# Altium PCB DBBC7505S-F.PcbDoc (part 2 of 2) (continued)
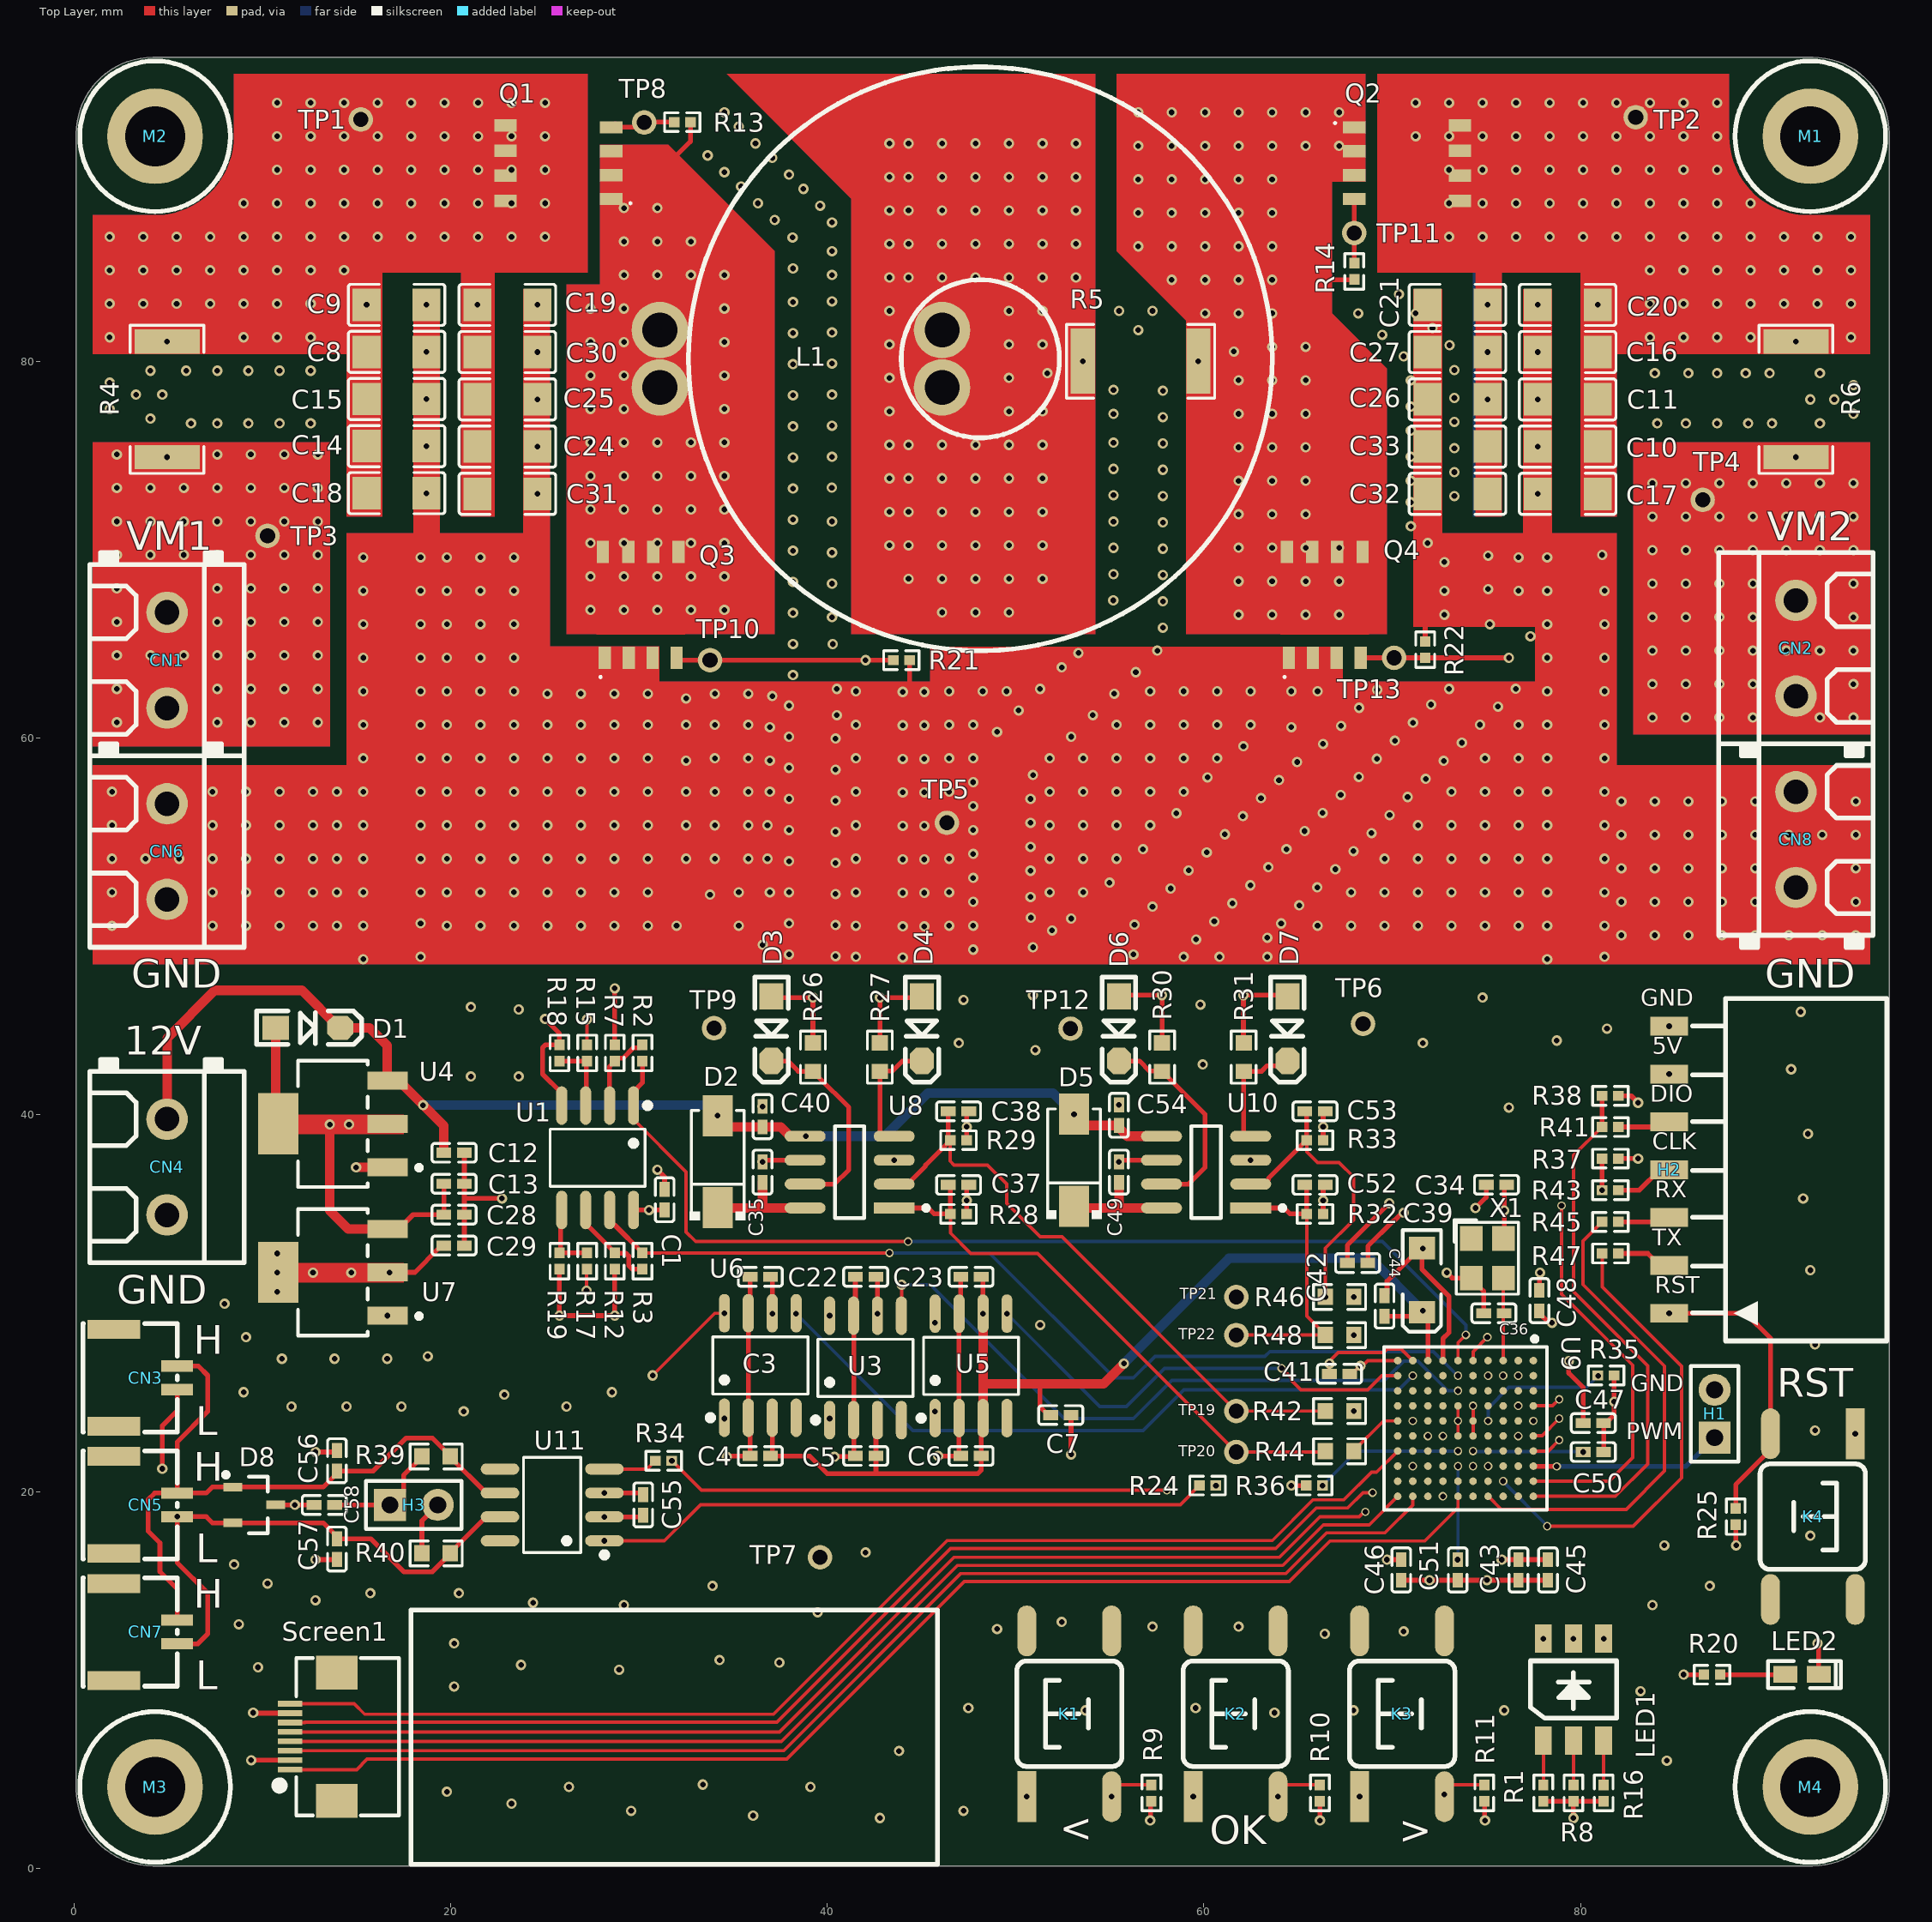
[diagram p0: Top Layer view]
## Nets (pads, with @x,y where several pads share a name; then routed paths per layer and width w, separated by ;. In a path a pad name is that pad's centre, name@x,y a point inside that pad or via, vN(x,y) a via of type N, cw(c..) or ccw(c..) an arc to the next point about the centre after c; other vN are vias at no path point) (continued)
IL+: L1.2 R5.1 U3.8 | length 64.9
  Mid Layer 2 w0.254: v1(40.132,29.337) 40.132,27.686 40.894,26.924 41.573,26.924 49.022,34.373 49.022,58.547 56.261,65.786 56.261,79.375 55.626,80.01 v1(53.576,80.01)
  other v1: 46.101,66.675 47.879,66.675 49.657,66.675 44.323,68.453 46.101,68.453 47.879,68.453 49.657,68.453 51.435,68.453 43.307,70.231 44.323,70.231 46.101,70.231 47.879,70.231 49.657,70.231 51.435,70.231 43.307,72.009 44.323,72.009 46.101,72.009 47.879,72.009 49.657,72.009 51.435,72.009 43.307,73.787 44.323,73.787 46.101,73.787 47.879,73.787 49.657,73.787 51.435,73.787 43.307,75.565 44.323,75.565 46.101,75.565 47.879,75.565 49.657,75.565 51.435,75.565 43.307,77.343 49.657,77.343 51.435,77.343 43.307,79.121 49.657,79.121 51.689,79.375 43.307,80.899 49.657,80.899 51.435,80.899 43.307,82.677 49.657,82.677 51.435,82.677 43.307,84.455 44.323,84.455 46.101,84.455 47.879,84.455 49.657,84.455 51.435,84.455 53.213,84.455 43.307,86.233 44.323,86.233 46.101,86.233 47.879,86.233 49.657,86.233 51.435,86.233 53.213,86.233 43.307,88.011 44.323,88.011 46.101,88.011 47.879,88.011 49.657,88.011 51.435,88.011 53.213,88.011 43.307,89.789 44.323,89.789 46.101,89.789 47.879,89.789 49.657,89.789 51.435,89.789 53.213,89.789 43.307,91.567 44.323,91.567 46.101,91.567 47.879,91.567 49.657,91.567 51.435,91.567 53.213,91.567
Iout-: CN2.1 CN2.2 R6.2 R17.1 TP4.1 U5.1 | length 111.3
  Top Layer w0.178: v1(27.224,30.665) 27.224,31.773 R17.1@27.254,31.803
  Mid Layer 2 w0.178: v1(27.224,30.665) 27.916,29.972 31.242,29.972 38.227,22.987 44.45,22.987 v1(45.72,24.257)
  Mid Layer 2 w0.254: v1(45.72,24.257) 45.72,25.527 46.609,26.416 53.594,26.416 60.706,33.528 66.802,33.528 80.01,46.736 80.01,75.565 82.169,77.724 90.805,77.724 91.44,77.089 v1(91.44,74.917)
  other v1: 83.82,61.087 85.598,61.087 87.376,61.087 89.154,61.087 92.71,61.087 94.488,61.087 83.82,62.865 85.598,62.865 87.376,62.865 89.154,62.865 94.488,62.865 83.82,64.643 85.598,64.643 87.376,64.643 89.154,64.643 90.932,64.643 92.71,64.643 94.488,64.643 83.82,66.421 85.598,66.421 87.376,66.421 89.154,66.421 94.488,66.421 83.82,68.199 85.598,68.199 87.376,68.199 89.154,68.199 94.488,68.199 83.82,69.977 85.598,69.977 87.376,69.977 89.154,69.977 90.932,69.977 92.71,69.977 94.488,69.977 83.82,71.755 85.598,71.755 87.376,71.755 89.154,71.755 90.932,71.755 92.71,71.755 94.488,71.755 83.82,73.533 85.598,73.533 87.376,73.533 89.154,73.533 90.932,73.533 92.71,73.533 94.488,73.533
Key1: K1.3 R9.1 U9.B6 | length 37.2
  Top Layer w0.178: v1(55.102,3.803) 55.102,4.049 55.482,4.429 R9.1@57.213,4.429
  Mid Layer 2 w0.178: v1(55.102,3.803) 56.761,5.461 67.969,5.461 76.695,14.187 v2(76.695,22.949)
Key2: K2.3 R10.1 U9.A6 | length 32.4
  Top Layer w0.178: v1(63.938,3.803) 63.938,4.049 64.317,4.429 R10.1@66.161,4.429 ; U9.A6@77.495,22.949 77.517,22.971 77.962,22.971 v2(78.867,23.876)
  Mid Layer 2 w0.178: v1(63.938,3.803) 66.922,3.803 77.127,14.008 77.127,22.136 v2(78.867,23.876)
Key3: K3.3 R11.1 U9.A7 | length 25.5
  Top Layer w0.178: K3.3@72.773,3.803 v1(72.773,3.926) 72.773,4.049 73.153,4.429 R11.1@74.891,4.429 ; U9.A7@77.495,22.149 78.283,22.149 v2(78.867,22.733)
  Mid Layer 2 w0.178: v1(72.773,3.926) 72.773,9.043 77.559,13.829 77.559,21.425 v2(78.867,22.733)
LEDB-: LED1.1 U9.A4 | length 16.6
  Top Layer w0.178: U9.A4@77.495,24.549 78.524,24.549 v2(78.867,24.892)
  Mid Layer 2 w0.178: v2(78.029,12.192) 78.046,12.209 78.046,12.514 80.848,15.316 80.848,22.808 79.883,23.773 79.883,24.511 79.502,24.892 v2(78.867,24.892)
LEDG-: LED1.5 U9.A5 | length 21.9
  Mid Layer 2 w0.178: v2(77.495,23.749) 76.327,23.749 75.946,24.13 75.946,25.019 76.327,25.4 77.343,25.4 78.105,26.162 79.756,26.162 80.747,25.171 80.747,24.131 81.712,23.166 81.712,14.402 81.229,13.919 v2(81.229,12.192)
LEDR-: LED1.3 U9.B4 | length 18.2
  Mid Layer 2 w0.178: v2(76.695,24.549) 77.381,24.549 78.486,25.654 79.629,25.654 80.315,24.968 80.315,23.952 81.28,22.987 81.28,14.859 79.629,13.208 v2(79.629,12.192)
NetC35_1: C35.1 D2.2 U8.8 | length 6
  Top Layer w0.254: D2.2@34.186,35.065 D2.2@34.199,35.052 ; 36.514,35.052 36.568,35.106
  Top Layer w0.508: D2.2@34.199,35.052 36.514,35.052 U8.8@38.829,35.052 ; 36.568,35.106 C35.1@36.568,36.412
NetC49_1: C49.1 D5.2 U10.8 | length 6
  Top Layer w0.254: D5.2@53.111,35.143 D5.2@53.202,35.052 ; 55.478,35.052 55.493,35.067
  Top Layer w0.508: D5.2@53.202,35.052 55.478,35.052 U10.8@57.754,35.052 ; 55.493,35.067 C49.1@55.493,36.412
NetC50_1: C50.1 U9.E7 | length 5.9
  Mid Layer 2 w0.178: v2(74.295,22.149) v2@74.32,22.124 ; v2@80.111,22.124 v2(80.137,22.098)
  Bottom Layer w0.178: v2(74.295,22.149) 74.32,22.124 80.111,22.124 v2(80.137,22.098)
NetC51_1: C51.1 U9.F8 | length 5.1
  Mid Layer 2 w0.178: v2@73.486,21.34 v2(73.495,21.349)
  Bottom Layer w0.178: v2@73.495,16.295 v2(73.495,21.349)
  other v2: 73.48,16.383
NetC58_2: C58.2 H3.1 R39.1 | length 6.2
  Top Layer w0.254: C58.2@13.845,19.29 H3.1@16.786,19.29 17.509,20.013 17.509,20.862 18.481,21.834 R39.1@18.481,21.863
NetD3_2: D3.2 R26.1 U8.7 | length 11.1
  Top Layer w0.254: D3.2@37.045,42.858 37.914,42.858 38.463,42.309 39.272,42.309 39.548,42.032 39.548,42.004 41.148,40.404 41.148,37.084 40.386,36.322 U8.7@38.829,36.322
NetD4_2: D4.2 R27.1 U8.4 | length 6.6
  Top Layer w0.254: U8.4@43.561,38.862 42.951,38.862 42.799,39.014 R27.1@42.799,42.309 42.811,42.32 43.463,42.32 44.001,42.858 D4.2@45.035,42.858
NetD6_2: D6.2 R30.1 U10.7 | length 11.3
  Top Layer w0.254: D6.2@55.493,42.858 56.583,42.858 57.121,42.32 57.773,42.32 R30.1@57.785,42.309 57.814,42.309 58.09,42.032 58.09,42.004 60.071,40.023 60.071,37.211 59.182,36.322 U10.7@57.754,36.322
NetD7_2: D7.2 R31.1 U10.4 | length 6.3
  Top Layer w0.254: U10.4@62.487,38.862 62.27,38.862 62.118,39.014 R31.1@62.118,42.309 63.068,42.309 63.363,42.604 64.187,42.604 D7.2@64.441,42.858
NetH2_2: H2.2 R47.1 | length 3
  Top Layer w0.254: R47.1@82.019,32.639 83.574,32.639 84.209,32.004 H2.2@84.709,32.004
NetH2_3: H2.3 R45.1 | length 2.8
  Top Layer w0.254: R45.1@82.019,34.318 84.483,34.318 H2.3@84.709,34.544
NetH2_4: H2.4 R43.1 | length 3.1
  Top Layer w0.254: R43.1@82.019,35.996 83.121,35.996 84.209,37.084 H2.4@84.709,37.084
NetH2_5: H2.5 R41.1 | length 2.8
  Top Layer w0.254: R41.1@82.019,39.354 84.439,39.354 H2.5@84.709,39.624
NetH3_2: H3.2 R40.1 | length 2.9
  Top Layer w0.254: R40.1@18.481,16.719 18.481,18.445 H3.2@19.326,19.29
NetLED1_2: LED1.2 R1.1 | length 2.4
  Top Layer w0.178: R1.1@78.029,4.429 LED1.2@78.029,6.782
NetLED1_4: LED1.4 R8.1 | length 2.4
  Top Layer w0.178: R8.1@79.629,4.429 LED1.4@79.629,6.782
NetLED1_6: LED1.6 R16.2 | length 2.4
  Top Layer w0.178: R16.2@81.229,4.429 LED1.6@81.229,6.782
NetLED2_1: LED2.1 R20.2 | length 3.5
  Top Layer w0.254: R20.2@87.419,10.28 90.863,10.28 LED2.1@90.869,10.287
NetR2_1: R2.1 R7.1 U1.2 | length 4.3
  Top Layer w0.254: U1.2@28.448,40.491 28.448,42.56 28.722,42.834 28.722,42.86 28.865,43.003 29.154,43.003 29.708,43.557 30.047,43.557 30.19,43.7 R2.1@30.19,43.713
NetR3_1: R3.1 R12.2 U1.6 | length 5
  Top Layer w0.254: U1.6@27.178,34.947 27.178,34.225 28.747,32.656 29.314,32.656 29.463,32.507 29.463,32.005 29.665,31.803 R3.1@30.19,31.803
NetR15_1: R15.1 R18.2 U1.3 | length 3.9
  Top Layer w0.254: R18.2@25.785,42.847 R15.1@27.254,42.847 27.216,42.809 27.216,40.529 U1.3@27.178,40.491
NetR17_2: R17.2 R19.2 U1.5 | length 3.8
  Top Layer w0.254: U1.5@25.908,34.947 25.847,34.885 25.847,32.73 R19.2@25.785,32.669 R17.2@27.254,32.669
NetR24_1: R24.1 U9.E8 | length 17.1
  Top Layer w0.178: R24.1@60.631,20.32 v1(60.644,20.32)
  Mid Layer 2 w0.178: v1(60.644,20.32) 62.765,18.199 73.329,18.199 74.295,19.165 v2(74.295,21.349)
NetR34_1: R34.1 U9.D8 | length 48.2
  Top Layer w0.178: R34.1@31.75,21.634 v2(31.756,21.634) 31.763,21.634 33.331,20.066 v2(58.039,20.066)
  Mid Layer 2 w0.178: v2(58.039,20.066) 60.706,17.399 73.66,17.399 75.095,18.834 v2(75.095,21.349)
NetR35_2: R35.2 U9.D5 | length 7.2
  Bottom Layer w0.178: v2(75.095,23.749) 75.095,24.422 76.2,25.527 80.325,25.527 v2(80.937,26.139)
NetR36_2: R36.2 U9.F7 | length 8
  Bottom Layer w0.178: v2@66.28,20.306 68.123,22.149 v2(73.495,22.149)
  other v2: 66.294,20.32
NetR42_1: R42.1 U9.J5 | length 3.4
  Mid Layer 2 w0.178: v2@67.981,24.249 v2(67.958,24.273) 70.571,24.273 v2(71.095,23.749)
NetR44_1: R44.1 U9.K5 | length 3
  Top Layer w0.178: R44.1@67.958,22.14 67.958,22.169 69.538,23.749 U9.K5@70.295,23.749
NetR46_1: R46.1 U9.G6 | length 9.6
  Mid Layer 2 w0.178: v2(67.958,30.331) 68.475,30.331 72.695,26.111 v2(72.695,22.949)
NetR48_1: R48.1 U9.H6 | length 7
  Mid Layer 2 w0.178: v2(67.958,28.308) 71.895,24.371 v2(71.895,22.949)
NRST: H2.1 K4.3 R25.2 U9.E1 | length 27.5
  Top Layer w0.178: U9.E1@74.295,26.949 74.295,27.432 v2(75.057,28.194)
  Top Layer w0.254: v1(84.709,29.464) 88.773,29.464 90.09,28.147 K4.3@90.09,23.069 90.09,22.219 88.24,20.369 R25.2@88.24,19.102
  Mid Layer 2 w0.254: v2(75.057,28.194) 83.439,28.194 v1(84.709,29.464)
OSC_IN: C36.1 U9.C1 X1.3 | length 4.4
  Top Layer w0.178: U9.C1@75.895,26.949 75.895,29.413 C36.1@75.946,29.464 75.907,29.503 X1.3@75.907,31.335
PWM_IN: H1.1 U9.A8 | length 10.3
  Top Layer w0.254: U9.A8@77.495,21.349 77.508,21.336 v2(78.74,21.336)
  Bottom Layer w0.254: v2(78.74,21.336) 85.598,21.336 H1.1@87.122,22.86
PWMAH: C37.2 R28.2 R44.2 TP20.1 U8.1 | length 30.5
  Top Layer w0.178: R28.2@46.543,34.737 46.543,33.721 47.625,32.639 51.181,32.639 TP20.1@61.722,22.098 66.409,22.098 R44.2@66.451,22.14
  Top Layer w0.254: U8.1@43.561,35.052 45.368,35.052 45.683,34.737 R28.2@46.543,34.737 46.543,36.166 C37.2@46.431,36.279
PWMAL: C38.2 R29.2 R42.2 TP19.1 U8.2 | length 32.7
  Top Layer w0.178: R29.2@46.531,38.653 46.531,37.543 46.736,37.338 48.514,37.338 49.53,36.322 49.53,35.306 51.308,33.528 52.467,33.528 TP19.1@61.722,24.273 R42.2@66.451,24.273
  Top Layer w0.254: U8.2@43.561,36.322 44.268,36.322 45.228,37.282 45.228,37.338 46.388,38.497 46.388,38.51 R29.2@46.531,38.653 ; C38.2@46.431,40.185 46.431,38.653 R29.2@46.531,38.653 ; R29.2@46.543,38.653 R29.2@46.531,38.653
PWMBH: C52.2 R32.2 R48.2 TP22.1 U10.1 | length 16.3
  Top Layer w0.178: TP22.1@61.722,28.308 R48.2@66.451,28.308 66.451,28.337 65.469,29.319 R32.2@65.469,34.737
  Top Layer w0.254: U10.1@62.487,35.052 64.262,35.052 64.577,34.737 R32.2@65.469,34.737 65.469,36.166 C52.2@65.357,36.279
PWMBL: C53.2 R33.2 R46.2 TP21.1 U10.2 | length 20.9
  Top Layer w0.178: R33.2@65.469,38.653 65.469,38.036 66.04,37.465 67.183,37.465 67.945,36.703 67.945,34.417 66.451,32.923 v2(66.451,30.331)
  Top Layer w0.254: U10.2@62.487,36.322 63.194,36.322 63.425,36.553 63.425,36.622 65.456,38.653 R33.2@65.469,38.653 65.469,40.073 C53.2@65.357,40.185
  Mid Layer 2 w0.178: TP21.1@61.722,30.331 v2(66.451,30.331)
RESET: Screen1.3 U9.J10 | length 64.9
  Top Layer w0.178: Screen1.3@12.107,6.242 37.689,6.242 47.094,15.646 64.366,15.646 66.525,17.805 69.621,17.805 71.095,19.279 U9.J10@71.095,19.749
RS: Screen1.4 U9.K10 | length 64.2
  Top Layer w0.178: Screen1.4@11.473,6.735 37.572,6.735 46.915,16.078 64.187,16.078 66.346,18.237 68.783,18.237 U9.K10@70.295,19.749
SCL: Screen1.6 U9.J8 | length 64.6
  Top Layer w0.178: 12.135,7.742 12.265,7.742 12.27,7.747 37.326,7.747 46.547,16.967 63.819,16.967 65.978,19.126 67.64,19.126 68.453,19.939 v2(68.961,19.939)
  Mid Layer 2 w0.178: v2(68.961,19.939) 70.371,21.349 v2(71.095,21.349)
SDA: Screen1.5 U9.G10 | length 66.4
  Top Layer w0.178: Screen1.5@11.473,7.235 14.482,7.235 14.478,7.239 37.465,7.239 46.736,16.51 64.008,16.51 66.167,18.669 68.252,18.669 68.506,18.923 v2(68.58,18.923)
  Mid Layer 2 w0.178: v2(68.58,18.923) 71.869,18.923 v2(72.695,19.749)
SWCLK: R37.2 R43.2 U9.A9 | length 24.9
  Top Layer w0.178: U9.A9@77.495,20.549 81.521,20.549 82.766,21.794 82.766,26.708 78.994,30.48 v2(78.994,35.179)
  Top Layer w0.254: v2(81.153,35.996) R37.2@81.153,37.675
  Mid Layer 2 w0.178: v2(78.994,35.179) 80.336,35.179 v2(81.153,35.996)
SWDIO: R38.2 R41.2 U9.A10 | length 28.6
  Top Layer w0.178: U9.A10@77.495,19.749 81.852,19.749 83.566,21.463 83.566,26.67 79.629,30.607 79.629,37.846 R41.2@81.145,39.362
  Top Layer w0.254: R41.2@81.153,39.354 R38.2@81.153,41.005
USART1_RX: R45.2 U9.D10 | length 25.9
  Top Layer w0.178: U9.D10@75.095,19.749 75.794,19.05 82.423,19.05 84.464,21.091 84.464,26.661 80.137,30.988 80.137,33.302 R45.2@81.153,34.318
USART1_TX: R47.2 U9.C9 | length 25.2
  Top Layer w0.178: v2(78.232,18.161) 82.804,18.161 85.362,20.719 85.362,26.652 81.153,30.861 R47.2@81.153,32.639
  Bottom Layer w0.178: v2(75.895,20.549) 75.895,20.523 78.232,18.187 v2(78.232,18.161)
Vref+: C1.2 C3.2 C4.2 C5.2 C6.2 C7.2 C22.2 C23.2 C29.2 C34.1 C39.1 C41.1 C42.1 C43.1 C44.1 C45.2 C46.2 C47.2 C48.2 C55.1 R1.2 R8.2 R9.2 R10.2 R11.2 R16.1 R20.1 R25.1 R36.1 R38.1 Screen1.7 U1.8 U3.3 U3.6 U5.3 U5.6 U6.3 U6.6 U7.2 U7.4 U9.B2 U9.D2 U9.F4 U9.F5 U9.F6 U9.H1 U9.K1 U11.3 X1.4 | length 105.3
  Top Layer w0.178: C41.1@67.749,26.248 67.874,26.248 68.296,26.67 68.427,26.67 68.706,26.949 U9.K1@70.295,26.949 ; U9.F6@73.495,22.949 v2(73.495,23.749) U9.F4@73.495,24.549
  Top Layer w0.254: v1(9.525,8.255) 9.545,8.235 Screen1.7@11.473,8.235 ; U7.2@16.655,31.637 18.111,31.637 19.378,32.904 19.378,32.914 19.521,33.057 C29.2@19.646,33.057 ; v1(28.172,19.925) 30.144,19.925 C55.1@30.234,19.835 ; U1.8@29.718,34.947 v1(30.543,34.947) C1.2@31.369,34.947 ; C3.2@36.994,31.396 37.084,31.307 v1(37.084,29.442) ; U6.3@37.084,23.898 37.084,21.98 cw(c36.994,21.98) C4.2@36.994,21.89 39.07,21.89 40.005,20.955 42.545,20.955 ; C22.2@42.59,31.396 42.68,31.307 v1(42.68,29.442) ; U3.3@42.68,23.898 ccw(c42.68,23.808) 42.59,23.808 C5.2@42.59,21.89 42.59,21 42.545,20.955 ; C23.2@48.186,31.396 48.276,31.307 v1(48.276,29.442) ; U5.3@48.276,24.626 U5.3@48.276,23.898 ccw(c48.276,23.808) 48.186,23.808 C6.2@48.186,21.89 48.186,21.135 48.006,20.955 42.545,20.955 ; 51.304,25.72 51.304,24.49 51.736,24.059 C7.2@51.861,24.059 ; v1(57.15,2.54) 57.181,2.571 57.181,3.532 R9.2@57.213,3.563 ; v1(64.643,20.32) R36.1@65.428,20.32 ; R10.2@66.161,3.563 66.164,3.56 66.164,2.543 v1(66.167,2.54) ; C42.1@68.707,32.131 68.707,33.019 70.07,34.382 70.116,34.382 70.532,34.798 v1(70.612,34.798) ; C44.1@69.596,29.3 71.36,29.3 C39.1@71.582,29.521 71.895,29.208 U9.H1@71.895,26.949 ; v1(69.723,16.383) C46.2@70.484,16.383 ; R11.2@74.891,3.563 74.911,3.544 74.911,2.559 v1(74.93,2.54) ; v1(75.819,16.383) C43.1@76.708,16.383 C45.2@78.272,16.383 ; X1.4@75.907,33.435 75.946,33.474 v1(75.946,34.925) 75.946,36.15 C34.1@76.083,36.287 ; C48.2@77.818,29.589 77.818,29.464 78.326,28.956 v1(78.486,28.956) ; R1.2@78.029,3.563 R8.2@79.629,3.563 ; v1(79.375,26.924) 79.375,26.289 80.137,25.527 C47.2@80.137,23.635 ; v1(79.629,2.667) R8.2@79.629,3.563 ; R16.1@81.229,3.563 R8.2@79.629,3.563 ; R38.1@82.019,41.005 82.693,41.005 v1(83.058,40.64) ; v1@85.471,10.287 v1(85.474,10.284) 85.478,10.28 R20.1@86.553,10.28 ; R25.1@88.24,18.236 88.24,17.17 v1(88.265,17.145)
  Top Layer w0.504: U5.3@48.276,23.808 U5.3@48.276,23.898 48.276,25.781 v1(48.276,29.442)
  Top Layer w0.508: 48.276,25.781 48.337,25.72 51.304,25.72 54.676,25.72 v1(55.753,26.797)
  Bottom Layer w0.508: v1(55.753,26.797) 61.341,32.385 68.834,32.385 v1(71.628,29.591)
  other v1: 68.326,26.67 10.795,30.607 10.795,31.623 12.7,31.623 14.732,31.623 16.764,31.623 10.795,32.639
  other v2: 75.095,26.149 76.695,26.149
pads on no net: CN3.3 CN3.4 CN5.3 CN5.4 CN7.3 CN7.4 K1.2 K1.4 K2.2 K2.4 K3.2 K3.4 K4.2 K4.4 M1.1 M2.1 M3.1 M4.1 Screen1.0 U3.4 U5.4 U6.4 U9.A1 U9.A2 U9.A3 U9.B1 U9.B3 U9.B5 U9.B7 U9.B8 U9.B9 U9.B10 U9.C3 U9.C4 U9.C5 U9.C6 U9.C7 U9.C8 U9.C10 U9.D1 U9.D3 U9.D4 U9.D6 U9.D7 U9.D9 U9.E2 U9.E3 U9.E9 U9.E10 U9.F9 U9.G2 U9.G3 U9.G4 U9.G5 U9.G7 U9.G8 U9.G9 U9.H2 U9.H3 U9.H4 U9.H5 U9.H7 U9.H8 U9.H9 U9.H10 U9.J3 U9.J4 U9.J6 U9.J7 U9.J9 U9.K3 U9.K4 U9.K6 U9.K8 U9.K9 U11.5 U11.8 X1.1

## Polygon pours and split planes (outlines as drawn)
C1N on Mid Layer 2 "C1N_L03_P001" (solid, remove dead copper, pour order 1): 1.016,48.006 1.016,87.757 8.509,87.757 8.509,95.25 87.884,95.25 87.884,87.757 95.377,87.757 95.377,48.006
Vref+ on Mid Layer 4 "VREF+_L05_P004" (solid, remove dead copper, pour order 4): 1.016,46.609 95.377,46.609 95.377,8.509 88.011,8.509 88.011,0.889 8.509,0.889 8.509,8.509 1.016,8.509
C1N on Mid Layer 1 "C1N_L02_P002" (solid, remove dead copper, pour order 2): 1.016,48.895 1.016,8.509 8.509,8.509 8.509,0.889 88.011,0.889 88.011,8.509 95.377,8.509 95.377,48.895
C1N on Mid Layer 3 "C1N_L04_P003" (solid, remove dead copper, pour order 3): 1.016,87.757 5.969,87.757 ccw(c5.969,90.297) 8.509,90.297 8.509,95.25 87.884,95.25 87.884,90.297 ccw(c90.424,90.297) 90.424,87.757 95.377,87.757 95.377,8.509 88.011,8.509 88.011,0.889 8.509,0.889 8.509,8.509 1.016,8.509
C1N on Bottom Layer "C1N_L06_P005" (solid, remove dead copper, pour order 5): 1.016,8.509 8.509,8.509 8.509,0.889 88.011,0.889 88.011,8.509 95.377,8.509 95.377,48.641 1.016,48.641

## Other copper
Top Layer:
  region net C2P: 95.377,80.391 81.915,80.391 81.915,71.755 80.01,71.755 80.01,84.709 75.819,84.709 75.819,71.755 74.422,71.755 74.422,84.709 69.215,84.709 69.215,95.25 87.884,95.25 87.884,91.948 ccw(c92.075,91.948) 92.075,87.757 95.377,87.757
  region net C1P: 1.016,80.391 14.478,80.391 14.478,71.755 16.383,71.755 16.383,84.709 20.574,84.709 20.574,71.755 22.352,71.755 22.352,84.709 27.289,84.709 27.289,95.25 8.509,95.25 8.509,91.948 cw(c4.318,91.948) 4.318,87.757 1.016,87.757
  region net IL+: 41.529,88.392 34.671,95.25 41.529,95.25
  region net Vref+: 17.526,32.124 11.43,32.124 11.43,31.362 11.684,31.108 17.526,31.108
  region net +5: 17.526,40.005 11.43,40.005 11.43,39.243 11.684,38.989 17.526,38.989
  region net C1N: 67.366,64.837 67.366,62.23 45.466,62.23 45.466,64.837 67.366,64.837
  region net C1N: 67.366,64.837 67.366,62.23 45.466,62.23 45.466,64.837 67.366,64.837
  region net C1N: 67.366,64.837 67.366,62.23 45.466,62.23 45.466,64.837 67.366,64.837
  region net B_HS: 66.802,89.789 66.802,82.55 69.728,79.624 69.72,65.532 59.055,65.532 59.055,82.169 55.372,85.852 55.372,89.789
  region net A_HS: 27.94,91.492 27.94,84.074 26.162,84.074 26.162,65.532 37.214,65.532 37.207,85.856 31.571,91.492
  region net Iout-: 95.377,60.198 82.804,60.198 82.804,75.692 95.377,75.692
  region net B_HS: 68.58,89.535 68.58,95.25 55.372,95.25 55.372,89.535
  region net IL+: 41.275,65.532 54.229,65.532 54.229,95.25 41.275,95.25
  region net Iin+: 1.016,59.563 13.589,59.563 13.589,75.692 1.016,75.692
  region net C1N: 1.016,58.547 14.478,58.547 14.478,70.866 18.034,70.866 18.034,83.82 19.431,83.82 19.431,70.866 23.876,70.866 23.876,83.82 25.273,83.82 25.273,64.863 31.076,64.863 31.076,62.992 37.338,62.992 67.437,62.992 77.597,62.992 77.597,65.913 71.12,65.913 71.12,83.82 72.644,83.82 72.644,70.866 76.962,70.866 76.962,83.82 78.486,83.82 78.486,70.866 81.915,70.866 81.915,58.547 95.377,58.547 95.377,48.006 1.016,48.006
Mid Layer 2:
  region net C2P: 95.377,80.391 81.915,80.391 80.01,80.391 80.01,84.709 75.819,84.709 74.041,84.709 70.231,84.709 70.231,95.25 87.884,95.25 87.884,91.948 ccw(c92.075,91.948) 92.075,87.757 95.377,87.757
  region net C1P: 1.016,80.645 16.383,80.645 16.383,84.709 20.574,84.709 22.352,84.709 27.289,84.709 27.289,95.25 8.509,95.25 8.509,91.948 cw(c4.318,91.948) 4.318,87.757 1.016,87.757
  region net Iin+: 1.016,59.563 13.589,59.563 13.589,75.692 1.016,75.692
  pour cut-out: 67.303,65.64 61.473,65.64 60.941,66.172 60.941,77.989 59.828,79.102 59.828,81.597 55.607,85.817 55.607,93.594 56.139,94.126 67.559,94.126 68.091,93.594 68.091,91.064 67.621,90.594 65.055,90.594 64.535,90.074 64.535,82.138 65.055,81.618 65.843,81.618 66.313,81.148 66.313,71.762 67.063,71.012 67.559,71.012 68.029,70.542 68.029,66.367
  pour cut-out: 53.589,92.475 54.121,91.943 54.121,84.079 53.771,83.728 53.926,83.573 53.926,79.339 52.281,77.693 52.281,68.015 50.033,65.767 45.725,65.767 42.399,69.093 42.399,91.943 42.931,92.475
  pour cut-out: 29.09,89.046 31.364,89.046 35.452,84.958 35.452,66.426 34.92,65.894 27.143,65.894 26.524,66.513 26.524,83.42 27.686,84.582 27.686,89.027
  region net Iout-: 95.377,60.198 82.804,60.198 82.804,75.184 83.312,75.692 95.377,75.692
Mid Layer 1:
  region net C1P: 1.016,80.391 14.478,80.391 14.478,71.755 16.383,71.755 16.383,84.709 20.574,84.709 20.574,71.755 22.352,71.755 22.352,84.709 27.289,84.709 27.289,95.25 8.509,95.25 8.509,91.948 cw(c4.318,91.948) 4.318,87.757 1.016,87.757
  region net C2P: 95.377,80.391 81.915,80.391 81.915,71.755 80.01,71.755 80.01,84.709 75.819,84.709 75.819,71.755 74.295,71.755 74.295,84.709 69.215,84.709 69.215,95.25 87.884,95.25 87.884,91.948 ccw(c92.075,91.948) 92.075,87.757 95.377,87.757
  pour cut-out: 27.986,29.903 26.462,29.903 26.462,31.427 27.986,31.427
  pour cut-out: 46.482,23.495 44.958,23.495 44.958,25.019 46.482,25.019
  pour cut-out: 46.482,28.194 44.958,28.194 44.958,29.718 46.482,29.718
  pour cut-out: 40.894,23.114 39.37,23.114 39.37,24.638 40.894,24.638
  pour cut-out: 40.894,28.575 39.37,28.575 39.37,30.099 40.894,30.099
  pour cut-out: 35.306,23.114 33.782,23.114 33.782,24.638 35.306,24.638
  pour cut-out: 28.011,44.315 26.487,44.315 26.487,45.839 28.011,45.839
  pour cut-out: 35.306,28.702 33.782,28.702 33.782,30.226 35.306,30.226
  pour cut-out: 31.496,25.4 29.972,25.4 29.972,26.924 31.496,26.924
  region net IL+: 41.529,88.392 34.671,95.25 41.529,95.25
  region net B_HS: 66.802,89.789 66.802,82.55 69.726,79.626 69.718,65.532 59.055,65.532 59.055,82.169 55.372,85.852 55.372,89.789
  region net A_HS: 27.94,91.492 27.94,84.074 26.162,84.074 26.162,65.532 37.215,65.532 37.208,85.855 31.571,91.492
  region net B_HS: 68.58,89.535 68.58,95.25 55.372,95.25 55.372,89.535
  region net IL+: 41.275,65.532 54.229,65.532 54.229,95.25 41.275,95.25
  region net C1N: 1.016,58.547 14.478,58.547 14.478,70.866 18.034,70.866 18.034,83.82 19.431,83.82 19.431,70.866 23.876,70.866 23.876,83.82 25.273,83.82 25.273,64.863 31.076,64.863 31.076,62.992 37.338,62.992 67.437,62.992 77.597,62.992 77.597,65.913 71.12,65.913 71.12,83.82 72.644,83.82 72.644,70.866 76.962,70.866 76.962,83.82 78.486,83.82 78.486,70.866 81.915,70.866 81.915,58.547 95.377,58.547 95.377,48.006 1.016,48.006
  region net Iout-: 95.377,60.198 82.804,60.198 82.804,75.692 95.377,75.692
  region net Iin+: 1.016,59.563 13.589,59.563 13.589,75.692 1.016,75.692
Mid Layer 4:
  region net C2P: 95.377,80.391 81.915,80.391 81.915,71.755 80.01,71.755 80.01,84.709 75.819,84.709 75.819,71.755 74.295,71.755 74.295,84.709 69.215,84.709 69.215,95.25 87.884,95.25 87.884,91.948 ccw(c92.075,91.948) 92.075,87.757 95.377,87.757
  region net C1P: 1.016,80.391 14.478,80.391 14.478,71.755 16.383,71.755 16.383,84.709 20.574,84.709 20.574,71.755 22.352,71.755 22.352,84.709 27.289,84.709 27.289,95.25 8.509,95.25 8.509,91.948 cw(c4.318,91.948) 4.318,87.757 1.016,87.757
  pour cut-out: 46.482,23.495 44.958,23.495 44.958,25.019 46.482,25.019
  pour cut-out: 46.482,28.194 44.958,28.194 44.958,29.718 46.482,29.718
  pour cut-out: 40.894,23.114 39.37,23.114 39.37,24.638 40.894,24.638
  pour cut-out: 40.894,28.575 39.37,28.575 39.37,30.099 40.894,30.099
  pour cut-out: 35.306,23.114 33.782,23.114 33.782,24.638 35.306,24.638
  pour cut-out: 35.306,28.702 33.782,28.702 33.782,30.226 35.306,30.226
  pour cut-out: 31.496,25.4 29.972,25.4 29.972,26.924 31.496,26.924
  pour cut-out: 27.986,29.903 26.462,29.903 26.462,31.427 27.986,31.427
  pour cut-out: 28.011,44.315 26.487,44.315 26.487,45.839 28.011,45.839
  region net IL+: 41.529,88.392 34.671,95.25 41.529,95.25
  region net B_HS: 66.802,89.789 66.802,82.55 69.726,79.626 69.718,65.532 59.055,65.532 59.055,82.169 55.372,85.852 55.372,89.789
  region net A_HS: 27.94,91.492 27.94,84.074 26.162,84.074 26.162,65.532 37.214,65.532 37.207,85.856 31.571,91.492
  region net B_HS: 68.58,89.535 68.58,95.25 55.372,95.25 55.372,89.535
  region net IL+: 41.275,65.532 54.229,65.532 54.229,95.25 41.275,95.25
  region net C1N: 1.016,58.547 14.478,58.547 14.478,70.866 18.034,70.866 18.034,83.82 19.431,83.82 19.431,70.866 23.876,70.866 23.876,83.82 25.273,83.82 25.273,64.863 31.076,64.863 31.076,62.992 37.338,62.992 67.437,62.992 77.597,62.992 77.597,65.913 71.12,65.913 71.12,83.82 72.644,83.82 72.644,70.866 76.962,70.866 76.962,83.82 78.486,83.82 78.486,70.866 81.915,70.866 81.915,58.547 95.377,58.547 95.377,48.006 1.016,48.006
  region net Iout-: 95.377,60.198 82.804,60.198 82.804,75.692 95.377,75.692
  region net Iin+: 1.016,59.563 13.589,59.563 13.589,75.692 1.016,75.692
Bottom Layer:
  region net C1P: 1.016,80.391 14.478,80.391 14.478,71.755 16.383,71.755 16.383,84.709 20.574,84.709 20.574,71.755 22.352,71.755 22.352,84.709 27.289,84.709 27.289,95.25 8.509,95.25 8.509,91.948 cw(c4.318,91.948) 4.318,87.757 1.016,87.757
  region net C2P: 95.377,80.391 81.915,80.391 81.915,71.755 80.01,71.755 80.01,84.709 75.819,84.709 75.819,71.755 74.295,71.755 74.295,84.709 69.215,84.709 69.215,95.25 87.884,95.25 87.884,91.948 ccw(c92.075,91.948) 92.075,87.757 95.377,87.757
  pour cut-out: 46.482,28.194 44.958,28.194 44.958,29.718 46.482,29.718
  pour cut-out: 46.482,23.495 44.958,23.495 44.958,25.019 46.482,25.019
  pour cut-out: 40.894,23.114 39.37,23.114 39.37,24.638 40.894,24.638
  pour cut-out: 40.894,28.575 39.37,28.575 39.37,30.099 40.894,30.099
  pour cut-out: 35.306,28.702 33.782,28.702 33.782,30.226 35.306,30.226
  pour cut-out: 35.306,23.114 33.782,23.114 33.782,24.638 35.306,24.638
  pour cut-out: 31.496,25.4 29.972,25.4 29.972,26.924 31.496,26.924
  pour cut-out: 27.986,29.903 26.462,29.903 26.462,31.427 27.986,31.427
  pour cut-out: 28.011,44.315 26.487,44.315 26.487,45.839 28.011,45.839
  region net IL+: 41.529,88.392 34.671,95.25 41.529,95.25
  region net C1N: 67.366,64.837 67.366,62.23 45.466,62.23 45.466,64.837 67.366,64.837
  region net B_HS: 66.802,89.789 66.802,82.55 69.726,79.626 69.718,65.532 59.055,65.532 59.055,82.169 55.372,85.852 55.372,89.789
  region net A_HS: 27.94,91.492 27.94,84.074 26.162,84.074 26.162,65.532 37.214,65.532 37.207,85.856 31.571,91.492
  region net B_HS: 68.58,89.535 68.58,95.25 55.372,95.25 55.372,89.535
  region net IL+: 41.275,65.532 54.229,65.532 54.229,95.25 41.275,95.25
  region net C1N: 1.016,58.547 14.478,58.547 14.478,70.866 18.034,70.866 18.034,83.82 19.431,83.82 19.431,70.866 23.876,70.866 23.876,83.82 25.273,83.82 25.273,64.863 31.076,64.863 31.076,62.992 37.338,62.992 67.437,62.992 77.597,62.992 77.597,65.913 71.12,65.913 71.12,83.82 72.644,83.82 72.644,70.866 76.962,70.866 76.962,83.82 78.486,83.82 78.486,70.866 81.915,70.866 81.915,58.547 95.377,58.547 95.377,48.006 1.016,48.006
  region net Iin+: 1.016,59.563 13.589,59.563 13.589,75.692 1.016,75.692
  region net Iout-: 95.377,60.198 82.804,60.198 82.804,75.692 95.377,75.692

## Silkscreen, mask and mechanical layers (free items; w line width, h text height)
Top Overlay:
  lines w0.254: 17.907,0.216 17.907,13.716 45.857,13.716 45.857,0.216 17.907,0.216
  text "VM2" at 89.916,70.485 h1.52
  text "VM1" at 2.794,69.977 h1.52
  text "GND" at 3.048,46.736 h1.52
  text "GND" at 89.789,46.736 h1.52
  text "GND" at 83.185,45.482 h1.52
  text "12V" at 2.667,43.18 h1.52
  text "5V" at 83.82,42.942 h1.52
  text "DIO" at 83.693,40.402 h1.52
  text "CLK" at 83.82,37.862 h1.52
  text "RX" at 83.947,35.306 h1.52
  text "TX" at 83.82,32.766 h1.52
  text "RST" at 83.947,30.242 h1.52
  text "GND" at 2.286,29.972 h1.52
  text "H" at 6.35,27.305 h1.52
  text "GND" at 82.677,25.035 h1.52
  text "RST" at 90.424,25.019 h1.52
  text "L" at 6.477,22.987 h1.52
  text "PWM" at 82.423,22.479 h1.52
  text "H" at 6.35,20.56 h1.52
  text "L" at 6.477,16.242 h1.52
  text "H" at 6.35,13.814 h1.52
  text "L" at 6.477,9.496 h1.52
  text "<" at 52.35,1.397 h1.52
  text "OK" at 60.325,1.27 h1.52
  text ">" at 70.358,1.27 h1.52
Mechanical 1:
  the board outline again, w0.254